# Altium PCB Cubli.PcbDoc (part 1 of 5) (continued)
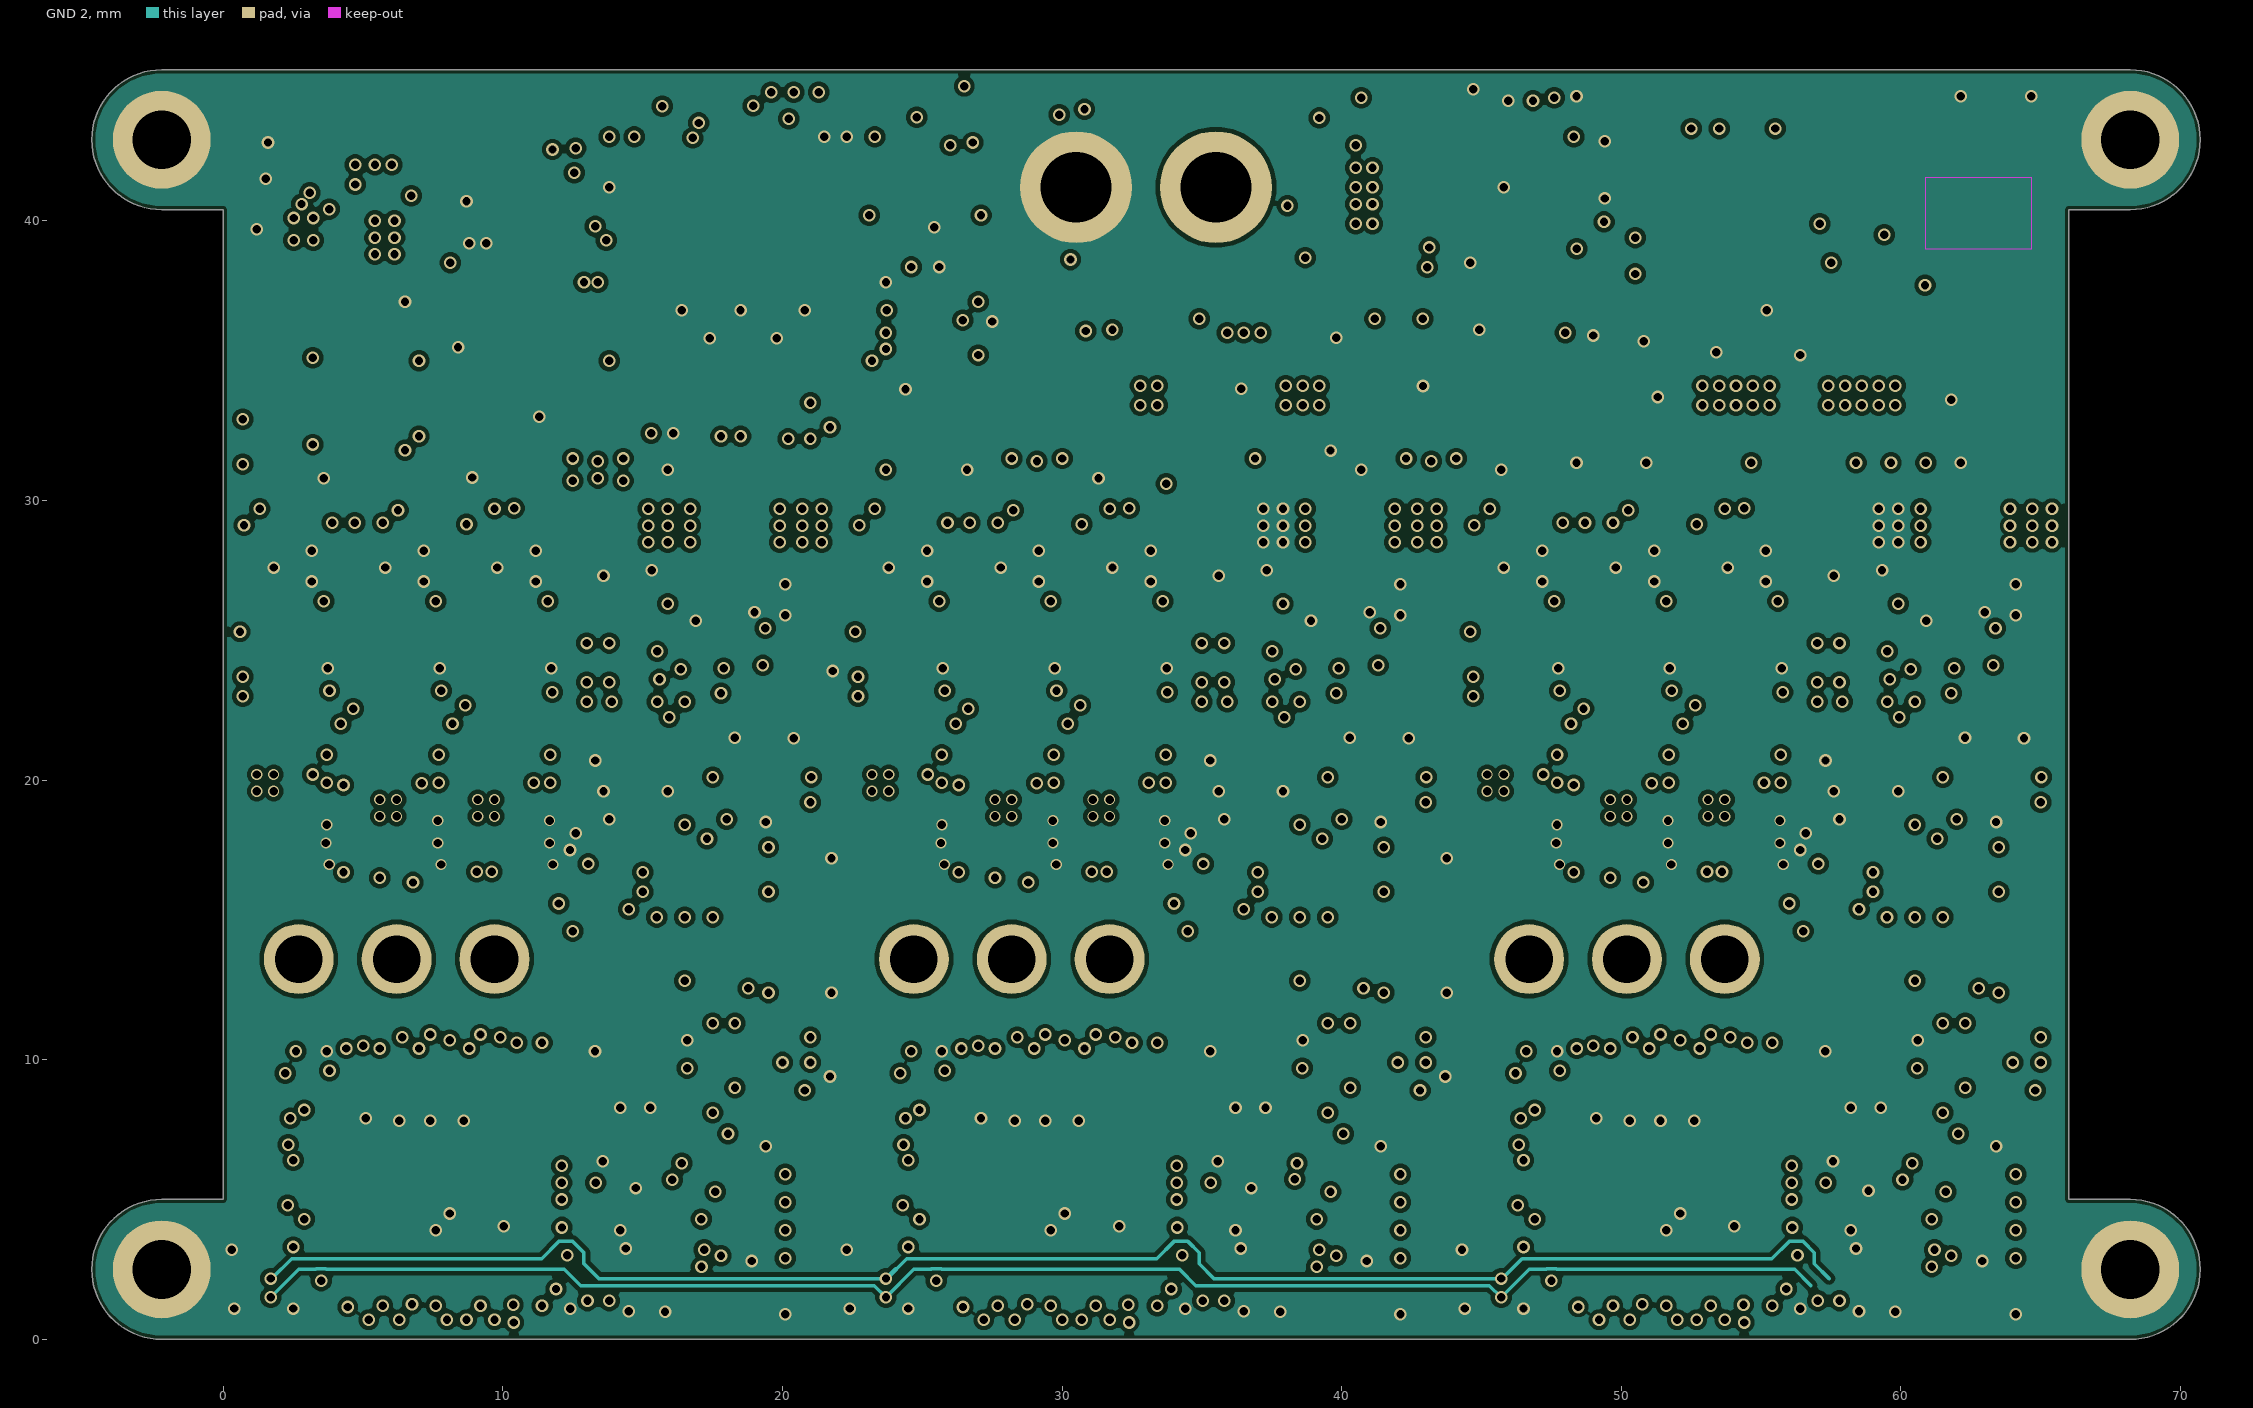
[diagram p5: GND 2]
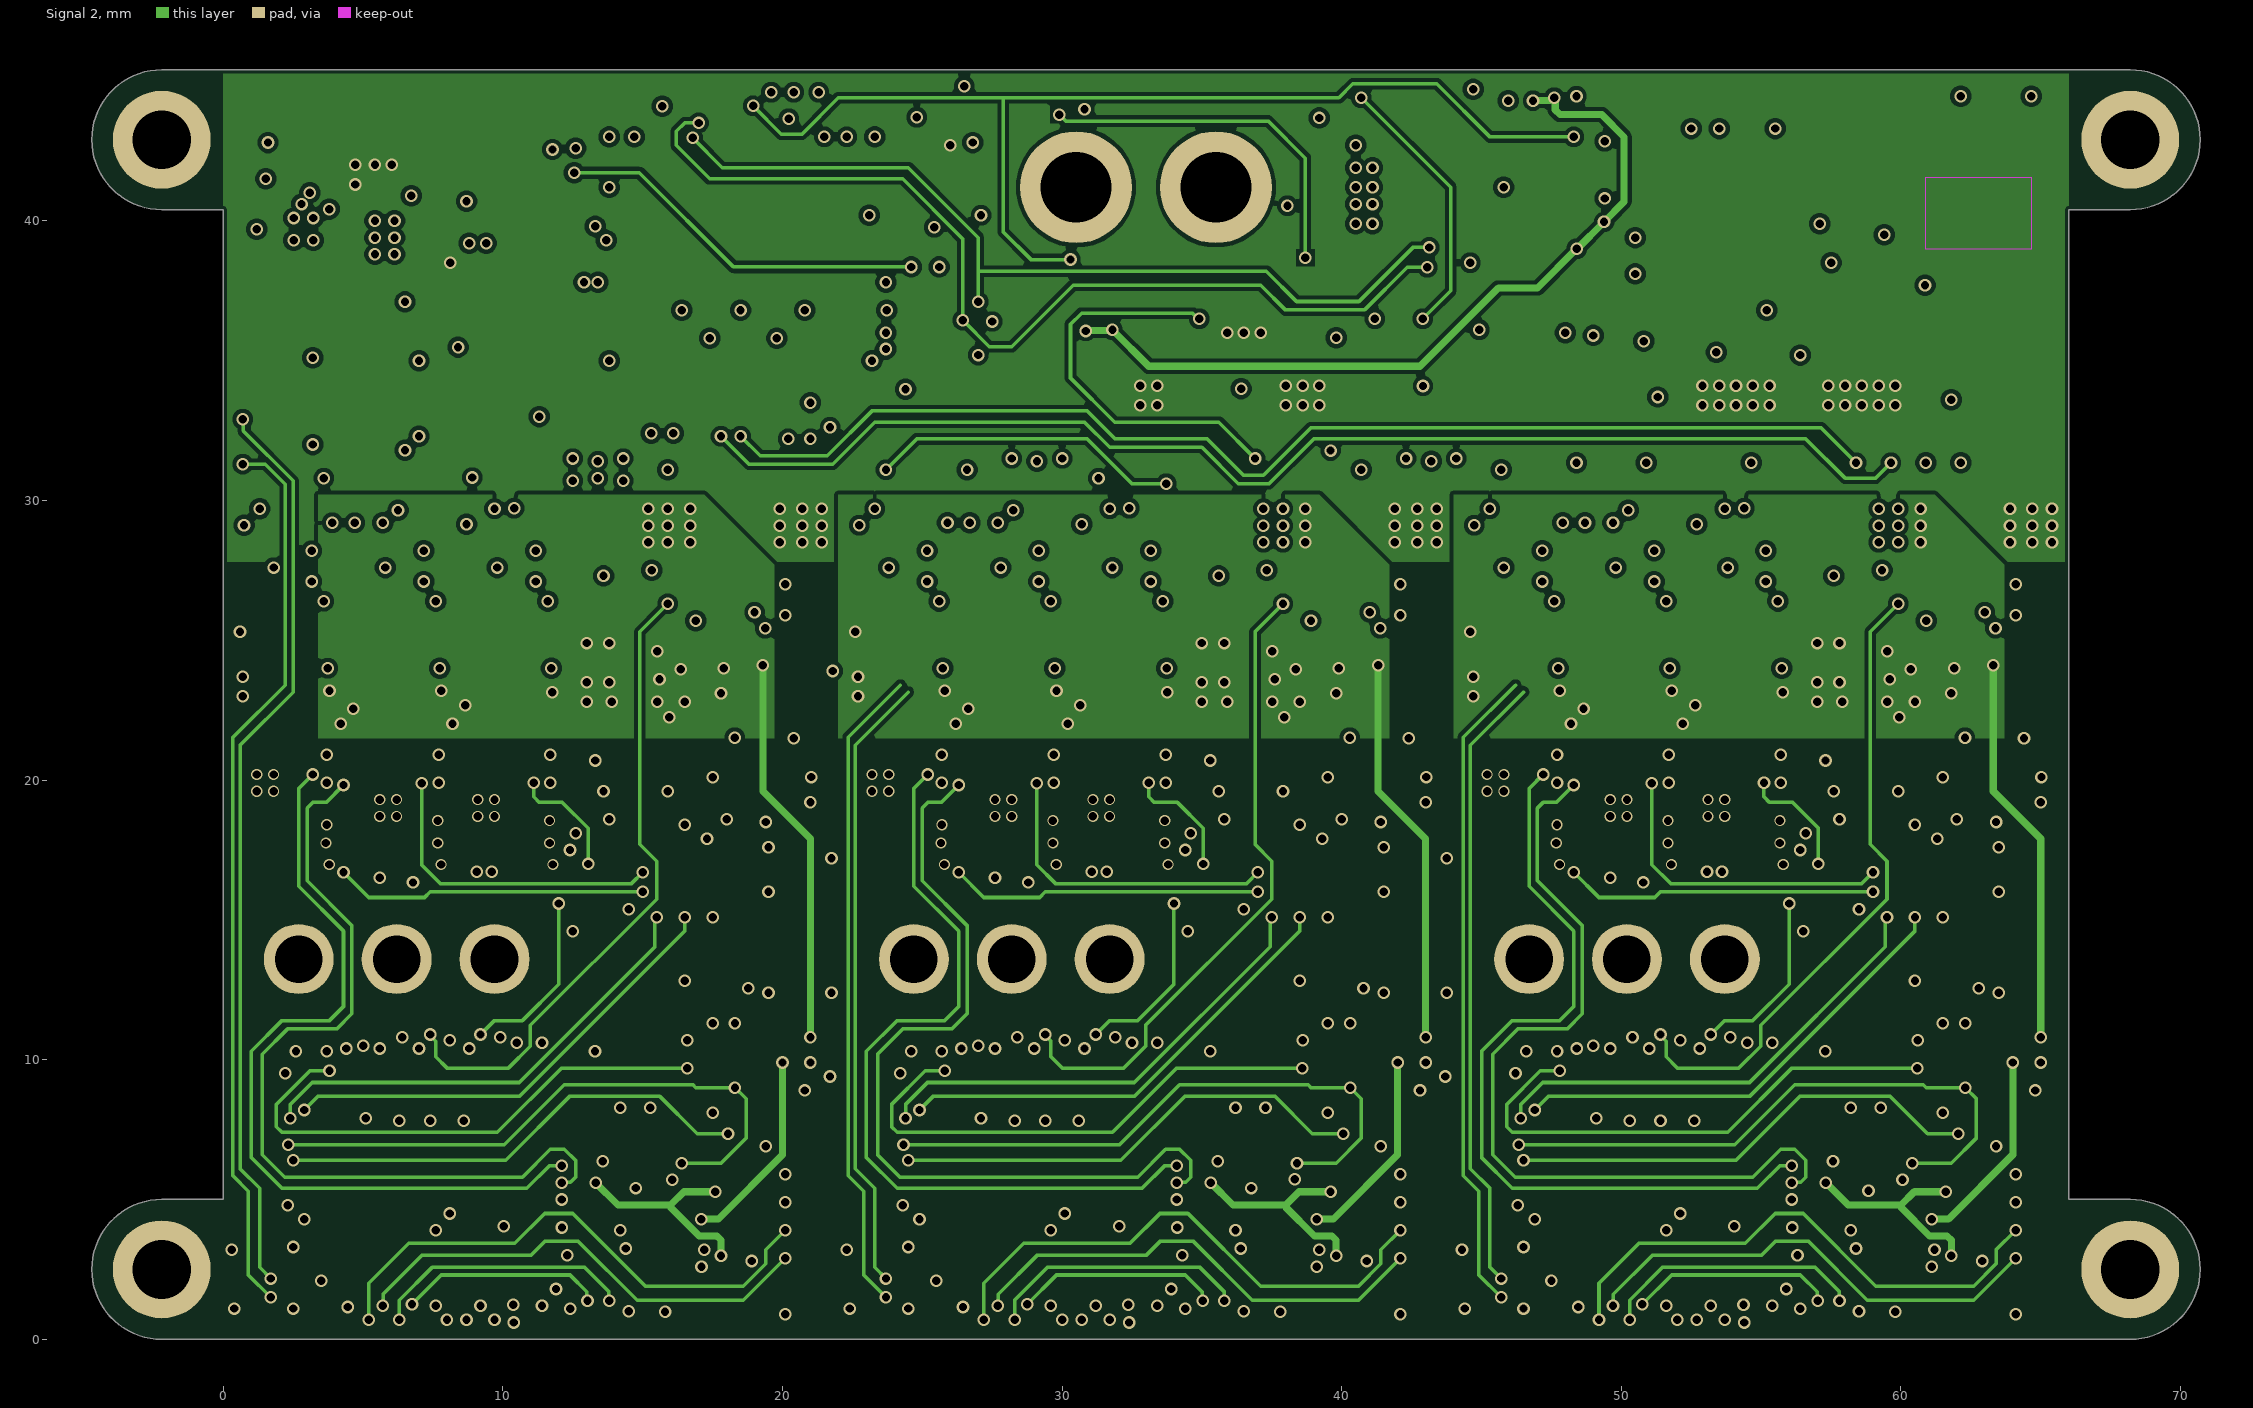
[diagram p6: Signal 2]
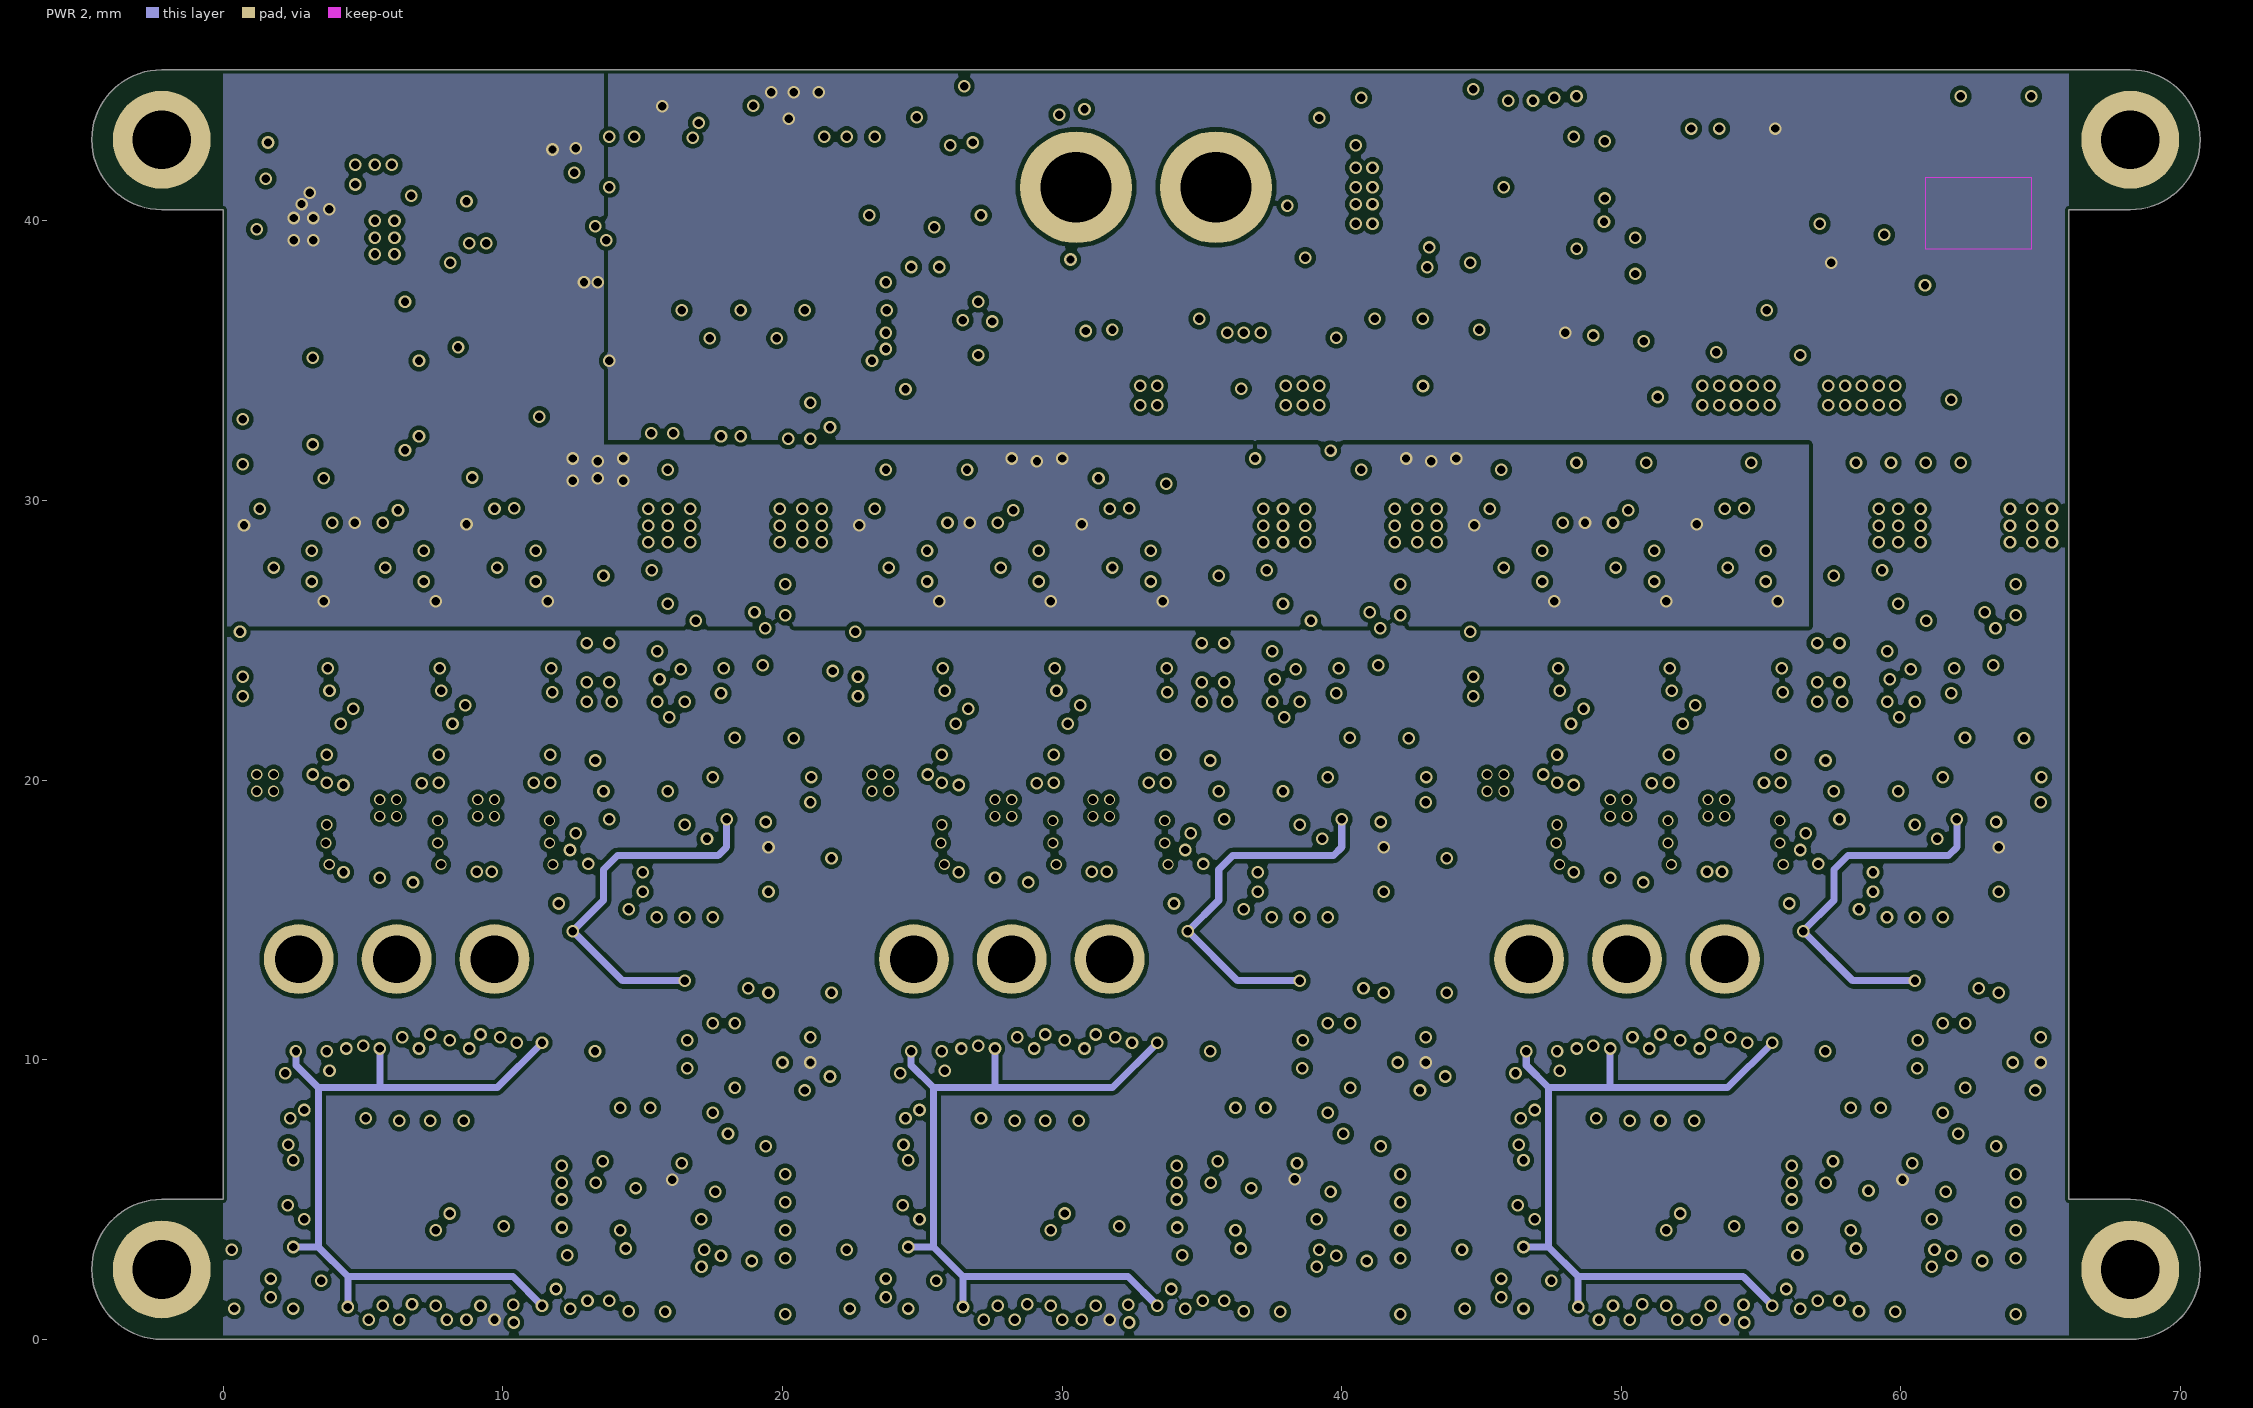
[diagram p7: PWR 2]
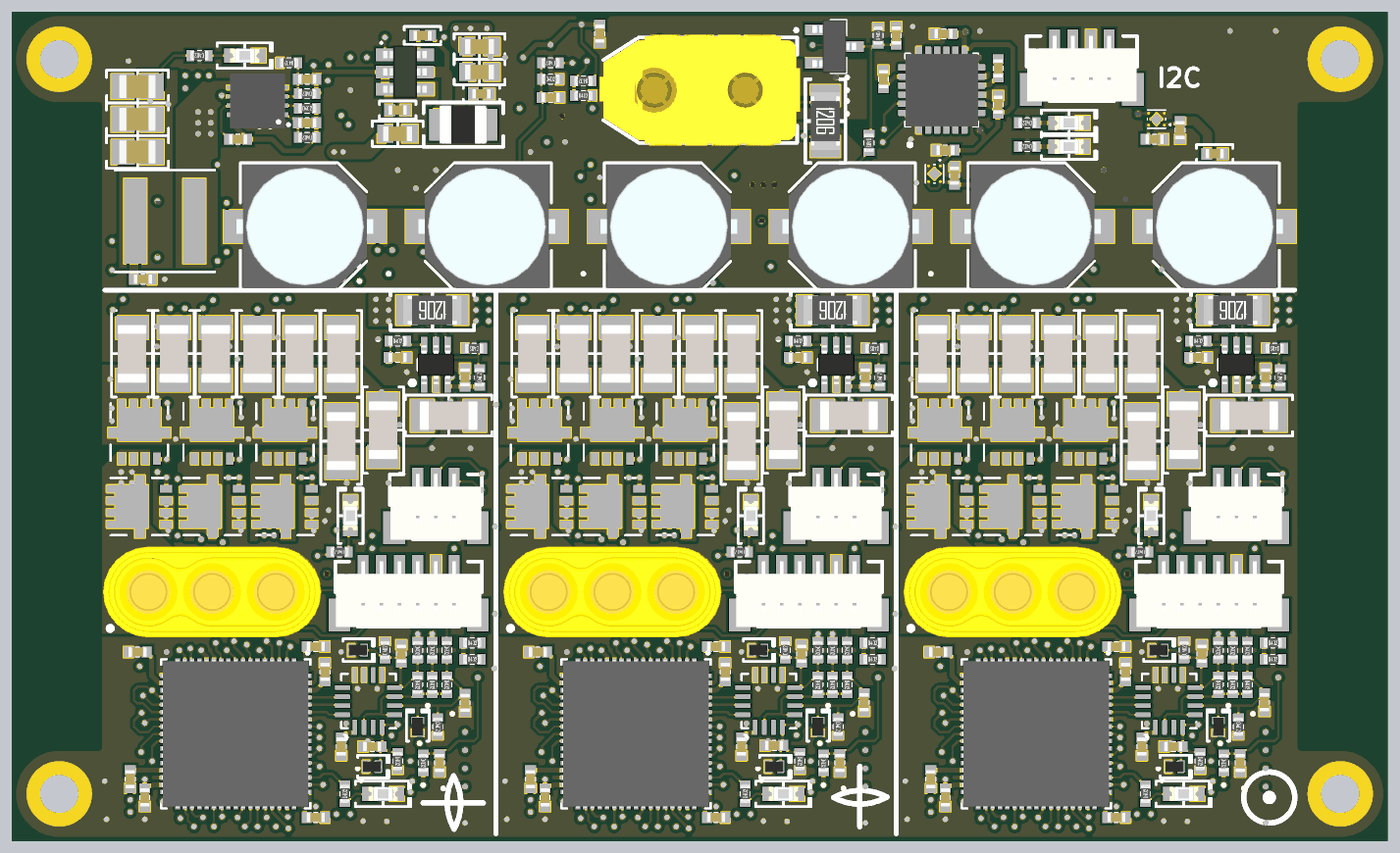
[diagram p12: 3D render of the assembled board from above, using the file's embedded part models]
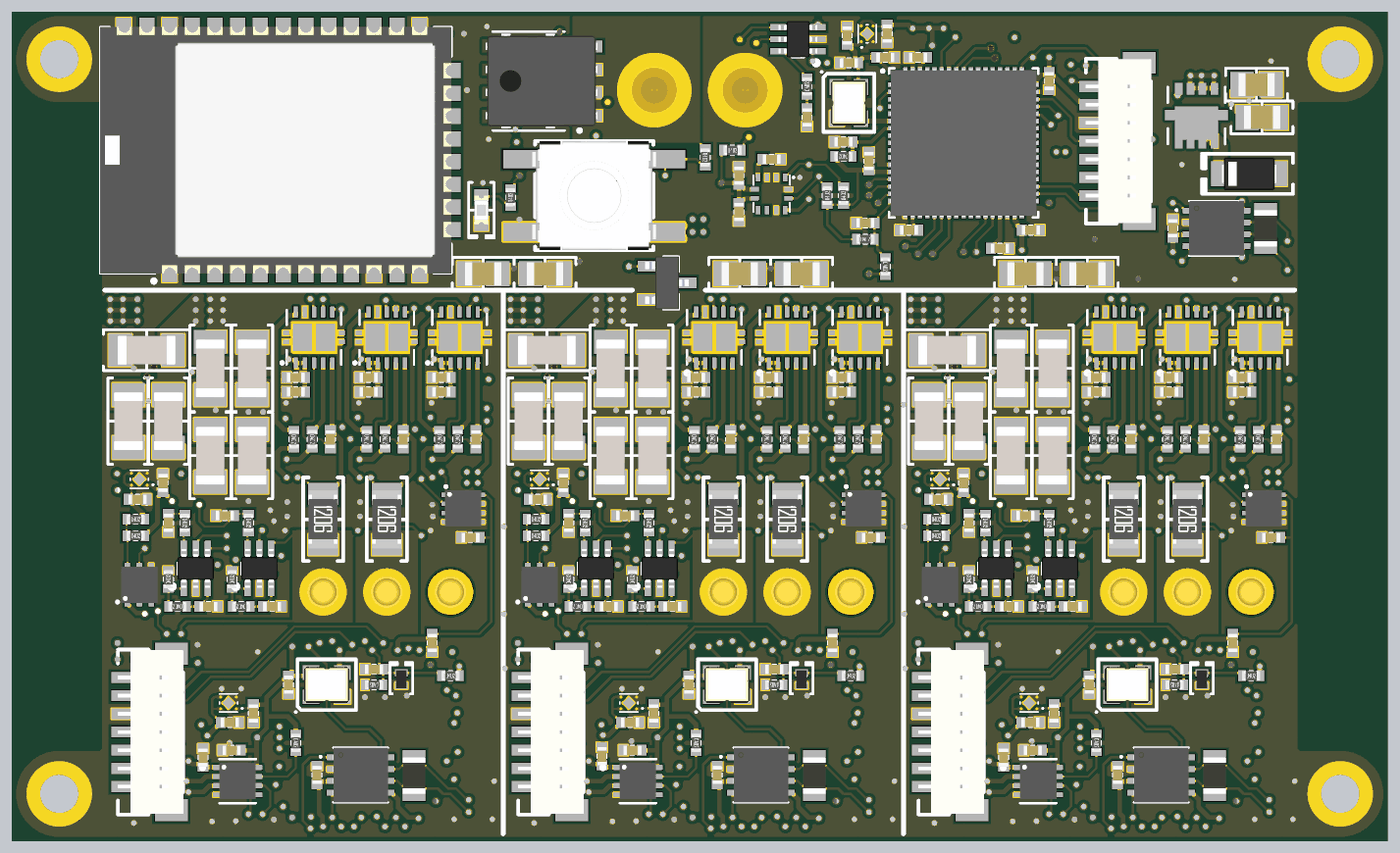
[diagram p13: 3D render of the assembled board from below, using the file's embedded part models]

## Layer stack, top to bottom
Top Solder: solder mask 0.01, Solder Resist, Dk 3.5
Top Layer: signal copper 0.035
Dielectric 2: prepreg 0.2, PP-006, Dk 4.1
GND 1: signal copper 0.035
Dielectric 4: prepreg 0.0711, PP-006, Dk 4.1
Signal 1: signal copper 0.0175
Dielectric 6: prepreg 0.0711, PP-006, Dk 4.1
PWR 1: signal copper 0.035
Dielectric 1: dielectric 0.651, FR-4, Dk 4.8
GND 2: signal copper 0.035
Dielectric 7: prepreg 0.0711, PP-006, Dk 4.1
Signal 2: signal copper 0.0175
Dielectric 5: prepreg 0.0711, PP-006, Dk 4.1
PWR 2: signal copper 0.035
Dielectric 3: prepreg 0.2, PP-006, Dk 4.1
Bottom Layer: signal copper 0.035
Bottom Solder: solder mask 0.01, Solder Resist, Dk 3.5

## Board outline
-2.2,0 cw(c-2.2,2.5) -4.7,2.5 cw(c-2.2,2.5) -2.2,5 0,5 0,40.4 -2.2,40.4 cw(c-2.2,42.9) -4.7,42.9 cw(c-2.2,42.9) -2.2,45.4 0,45.4 68.2,45.4 cw(c68.2,42.9) 70.7,42.9 cw(c68.2,42.9) 68.2,40.4 66,40.4 66,5 68.2,5 cw(c68.2,2.5) 70.7,2.5 cw(c68.2,2.5) 68.2,0 66,0 0,0

## Design rules (kind name [scope] priority, off if disabled: settings)
BoardOutlineClearance [((OnLayer('Top Overlay') = False) AND (OnLayer('Bottom Overlay') = False))] p1: gap=0.127 ignorepadtopadclearanceinfootprint=FALSE
Clearance "PolyGon Pour Clearance" [InPolygon] p1: gap=0.15 ignorepadtopadclearanceinfootprint=FALSE
Clearance [All] p2: gap=0.127 ignorepadtopadclearanceinfootprint=FALSE
HoleSize [All] p1: absolutevalues=TRUE maxlimit=50 minlimit=0.2 maxpercent=80.000 minpercent=20.000
HoleToHoleClearance [All] p1: gap=0.2 allowstackedmicrovias=TRUE
MinimumSolderMaskSliver [All] p1: minsoldermaskwidth=0.01
PlaneClearance [All] p1: clearance=0.127
PlaneConnect [All] p1: pad.planeconnectstyle=Direct pad.reliefexpansion=0.508 pad.reliefentries=4 pad.reliefconductorwidth=0.254 pad.reliefairgap=0.254 via.planeconnectstyle=Relief via.reliefexpansion=0.508 via.reliefentries=4 via.reliefconductorwidth=0.254 via.reliefairgap=0.254
PolygonConnect PolygonRelief [IsPolygon and not (IsNamedPolygon('PolygonDirect'))] p1: thpad.connectstyle=Relief thpad.reliefconductorwidth=0.254 thpad.reliefentries=4 thpad.polygonreliefangle="90 Angle" thpad.airgapwidth=0.254 smdpad.connectstyle=Relief smdpad.reliefconductorwidth=0.254 smdpad.reliefentries=4 smdpad.polygonreliefangle="90 Angle" smdpad.airgapwidth=0.254 via.connectstyle=Direct via.reliefconductorwidth=0.254 via.reliefentries=4 via.polygonreliefangle="90 Angle" via.airgapwidth=0.254
PolygonConnect PolygonDirect [All] p2: connectstyle=Direct reliefconductorwidth=0.254 reliefentries=4 polygonreliefangle="90 Angle" airgapwidth=0.254
RoutingVias [All] p1: holewidth=0.3 width=0.45 viastyle="Through Hole" minholewidth=0.3 minwidth=0.4 maxholewidth=0.5 maxwidth=10
SolderMaskExpansion SolderMaskExpansionVia [IsVia] p1: expansion=0.102 istentingtop=TRUE
SolderMaskExpansion [All] p2: expansion=0.05 istentingtop=FALSE
SupplyNets "Schematic Supply Nets_6" [InNet('3V3_XBEE')] p1: voltage=0.000
SupplyNets "Schematic Supply Nets_5" [InNet('3V3_MAIN')] p2: voltage=0.000
SupplyNets "Schematic Supply Nets_1" [InNet('3V3_IMU')] p3: voltage=0.000
SupplyNets "Schematic Supply Nets_4" [InNet('5V')] p4: voltage=0.000
SupplyNets "Schematic Supply Nets_3" [InNet('12V')] p5: voltage=0.000
SupplyNets "Schematic Supply Nets_2" [InNet('GND')] p6: voltage=0.000
SupplyNets "Schematic Supply Nets" [InNet('VBAT')] p7: voltage=0.000
Width [All] p1: maxlimit=2 minlimit=0.127 preferedwidth=0.254
25 further rules are at their usual default settings.

## Classes and differential pairs
component class Top: C11 C12 C13 C14 C15 C16 C17 C24 C25 C56 J_I2C R9 R10 R11 R15 R23 R24 U3 U4 U8 U9
channel class ESC_Power: U_Power1 U_Power2 U_Power3
channel class ESC_MCU: U_ESC_MCU1 U_ESC_MCU2 U_ESC_MCU3
component class U_Main_MCU: C38 C39 C40 C41 C42 C43 C44 C45 C46 C53 D2 D3 J1 R12 R13 R14 R19 R20 U11 Y1
component class U_Power3: C1_ESC_3 C2_ESC_3 C3_ESC_3 C4_ESC_3 C5_ESC_3 C6_ESC_3 C7_ESC_3 C8_ESC_3 C9_ESC_3 C10_ESC_3 C11_ESC_3 C12_ESC_3 C13_ESC_3 C14_ESC_3 C15_ESC_3 C16_ESC_3 C17_ESC_3 C18_ESC_3 C19_ESC_3 C20_ESC_3 C21_ESC_3 C22_ESC_3 R1_ESC_3 R2_ESC_3 R3_ESC_3 R4_ESC_3 U1_ESC_3 U2_ESC_3 U3_ESC_3
component class U_Power2: C1_ESC_2 C2_ESC_2 C3_ESC_2 C4_ESC_2 C5_ESC_2 C6_ESC_2 C7_ESC_2 C8_ESC_2 C9_ESC_2 C10_ESC_2 C11_ESC_2 C12_ESC_2 C13_ESC_2 C14_ESC_2 C15_ESC_2 C16_ESC_2 C17_ESC_2 C18_ESC_2 C19_ESC_2 C20_ESC_2 C21_ESC_2 C22_ESC_2 R1_ESC_2 R2_ESC_2 R3_ESC_2 R4_ESC_2 U1_ESC_2 U2_ESC_2 U3_ESC_2
component class U_Power1: C1_ESC_1 C2_ESC_1 C3_ESC_1 C4_ESC_1 C5_ESC_1 C6_ESC_1 C7_ESC_1 C8_ESC_1 C9_ESC_1 C10_ESC_1 C11_ESC_1 C12_ESC_1 C13_ESC_1 C14_ESC_1 C15_ESC_1 C16_ESC_1 C17_ESC_1 C18_ESC_1 C19_ESC_1 C20_ESC_1 C21_ESC_1 C22_ESC_1 R1_ESC_1 R2_ESC_1 R3_ESC_1 R4_ESC_1 U1_ESC_1 U2_ESC_1 U3_ESC_1
component class U_ESC3: C23_ESC_3 C24_ESC_3 C25_ESC_3 C26_ESC_3 C52_ESC_3 C53_ESC_3 D1_ESC_3 J1_ESC_3 J2_ESC_3 J3_ESC_3 R5_ESC_3 R6_ESC_3 R7_ESC_3 R8_ESC_3 R9_ESC_3 R36_ESC_3 R37_ESC_3 R38_ESC_3 U4_ESC_3 U5_ESC_3 U6_ESC_3 U7_ESC_3 U14_ESC_3
component class U_ESC2: C23_ESC_2 C24_ESC_2 C25_ESC_2 C26_ESC_2 C52_ESC_2 C53_ESC_2 D1_ESC_2 J1_ESC_2 J2_ESC_2 J3_ESC_2 R5_ESC_2 R6_ESC_2 R7_ESC_2 R8_ESC_2 R9_ESC_2 R36_ESC_2 R37_ESC_2 R38_ESC_2 U4_ESC_2 U5_ESC_2 U6_ESC_2 U7_ESC_2 U14_ESC_2
component class U_ESC1: C23_ESC_1 C24_ESC_1 C25_ESC_1 C26_ESC_1 C52_ESC_1 C53_ESC_1 D1_ESC_1 J1_ESC_1 J2_ESC_1 J3_ESC_1 R5_ESC_1 R6_ESC_1 R7_ESC_1 R8_ESC_1 R9_ESC_1 R36_ESC_1 R37_ESC_1 R38_ESC_1 U4_ESC_1 U5_ESC_1 U6_ESC_1 U7_ESC_1 U14_ESC_1
channel class Half_Bridges: U_Half_Bridges1 U_Half_Bridges2 U_Half_Bridges3
channel class ESC: U_ESC1 U_ESC2 U_ESC3
component class U_ESC_MCU3: C43_ESC_3 C44_ESC_3 C45_ESC_3 C46_ESC_3 C47_ESC_3 C48_ESC_3 C49_ESC_3 C50_ESC_3 C51_ESC_3 D5_ESC_3 D6_ESC_3 J4_ESC_3 R33_ESC_3 R34_ESC_3 R35_ESC_3 U13_ESC_3 Y1_ESC_3
component class U_ESC_MCU2: C43_ESC_2 C44_ESC_2 C45_ESC_2 C46_ESC_2 C47_ESC_2 C48_ESC_2 C49_ESC_2 C50_ESC_2 C51_ESC_2 D5_ESC_2 D6_ESC_2 J4_ESC_2 R33_ESC_2 R34_ESC_2 R35_ESC_2 U13_ESC_2 Y1_ESC_2
component class U_ESC_MCU1: C43_ESC_1 C44_ESC_1 C45_ESC_1 C46_ESC_1 C47_ESC_1 C48_ESC_1 C49_ESC_1 C50_ESC_1 C51_ESC_1 D5_ESC_1 D6_ESC_1 J4_ESC_1 R33_ESC_1 R34_ESC_1 R35_ESC_1 U13_ESC_1 Y1_ESC_1
component class U_Half_Bridges3: C27_ESC_3 C28_ESC_3 C29_ESC_3 C30_ESC_3 C31_ESC_3 C32_ESC_3 C33_ESC_3 C34_ESC_3 C35_ESC_3 C36_ESC_3 C37_ESC_3 C38_ESC_3 C39_ESC_3 C40_ESC_3 C41_ESC_3 C42_ESC_3 D2_ESC_3 D3_ESC_3 D4_ESC_3 Q1_ESC_3 Q2_ESC_3 Q3_ESC_3 Q4_ESC_3 Q5_ESC_3 Q6_ESC_3 R10_ESC_3 R11_ESC_3 R12_ESC_3 R13_ESC_3 R14_ESC_3 R15_ESC_3 R16_ESC_3 R17_ESC_3 R18_ESC_3 R19_ESC_3 R20_ESC_3 R21_ESC_3 R22_ESC_3 R23_ESC_3 R24_ESC_3 R25_ESC_3 R26_ESC_3 R27_ESC_3 R28_ESC_3 R29_ESC_3 R30_ESC_3 R31_ESC_3 R32_ESC_3 U8_ESC_3 U9_ESC_3 U10_ESC_3 U11_ESC_3 U12_ESC_3
component class U_Half_Bridges2: C27_ESC_2 C28_ESC_2 C29_ESC_2 C30_ESC_2 C31_ESC_2 C32_ESC_2 C33_ESC_2 C34_ESC_2 C35_ESC_2 C36_ESC_2 C37_ESC_2 C38_ESC_2 C39_ESC_2 C40_ESC_2 C41_ESC_2 C42_ESC_2 D2_ESC_2 D3_ESC_2 D4_ESC_2 Q1_ESC_2 Q2_ESC_2 Q3_ESC_2 Q4_ESC_2 Q5_ESC_2 Q6_ESC_2 R10_ESC_2 R11_ESC_2 R12_ESC_2 R13_ESC_2 R14_ESC_2 R15_ESC_2 R16_ESC_2 R17_ESC_2 R18_ESC_2 R19_ESC_2 R20_ESC_2 R21_ESC_2 R22_ESC_2 R23_ESC_2 R24_ESC_2 R25_ESC_2 R26_ESC_2 R27_ESC_2 R28_ESC_2 R29_ESC_2 R30_ESC_2 R31_ESC_2 R32_ESC_2 U8_ESC_2 U9_ESC_2 U10_ESC_2 U11_ESC_2 U12_ESC_2
component class U_Half_Bridges1: C27_ESC_1 C28_ESC_1 C29_ESC_1 C30_ESC_1 C31_ESC_1 C32_ESC_1 C33_ESC_1 C34_ESC_1 C35_ESC_1 C36_ESC_1 C37_ESC_1 C38_ESC_1 C39_ESC_1 C40_ESC_1 C41_ESC_1 C42_ESC_1 D2_ESC_1 D3_ESC_1 D4_ESC_1 Q1_ESC_1 Q2_ESC_1 Q3_ESC_1 Q4_ESC_1 Q5_ESC_1 Q6_ESC_1 R10_ESC_1 R11_ESC_1 R12_ESC_1 R13_ESC_1 R14_ESC_1 R15_ESC_1 R16_ESC_1 R17_ESC_1 R18_ESC_1 R19_ESC_1 R20_ESC_1 R21_ESC_1 R22_ESC_1 R23_ESC_1 R24_ESC_1 R25_ESC_1 R26_ESC_1 R27_ESC_1 R28_ESC_1 R29_ESC_1 R30_ESC_1 R31_ESC_1 R32_ESC_1 U8_ESC_1 U9_ESC_1 U10_ESC_1 U11_ESC_1 U12_ESC_1
component class U_Power: C1 C2 C3 C4 C5 C6 C7 C8 C9 C10 C18 C19 C20 C21 C22 C23 C26 C27 C28 C29 C30 C31 C32 C33 C34 C35 C36 C37 C47 C48 C49 C50 C51 C52 C54 C55 D1 D4 D5 J_VIN1 L1 L2 Q1 Q2 Q3 Q4 R1 R2 R3 R4 R5 R6 R7 R8 R16 R17 R18 R21 R22 S1 U1 U2 U5 U6 U7 U10

## Components (designator, comment, footprint, x,y, rotation, side; value= is the part's Value field where it differs from the comment)
C1 "1nF" CAP_0402 11.425,39.4 r0 top
C1_ESC_1 "0.1uF" CAP_0402 20.1,25.4 r90 top (schematic designator C1_ESC)
C1_ESC_2 "0.1uF" CAP_0402 42.1,25.4 r90 top (schematic designator C1_ESC)
C1_ESC_3 "0.1uF" CAP_0402 64.1,25.4 r90 top (schematic designator C1_ESC)
C2 "0.1uF" CAP_0402 7.625,38.5 r180 top
C2_ESC_1 "0.1uF" CAP_0402 16.4,26.5 r0 top (schematic designator C2_ESC)
C2_ESC_2 "0.1uF" CAP_0402 38.4,26.5 r0 top (schematic designator C2_ESC)
C2_ESC_3 "0.1uF" CAP_0402 60.4,26.5 r0 top (schematic designator C2_ESC)
C3 "22 µF" "CAP 0805_2012" 41.5,31.1 r0 bottom
C3_ESC_1 "10 µF" "CAP 1206_3216 - 0.8MM" 8.7,26.7 r270 top (schematic designator C3_ESC)
C3_ESC_2 "10 µF" "CAP 1206_3216 - 0.8MM" 30.7,26.7 r270 top (schematic designator C3_ESC)
C3_ESC_3 "10 µF" "CAP 1206_3216 - 0.8MM" 52.7,26.7 r270 top (schematic designator C3_ESC)
C4 "22pF" CAP_0402 11.425,41.8 r0 top
C4_ESC_1 "10 µF" "CAP 1206_3216 - 0.8MM" 13.3,26.7 r270 top (schematic designator C4_ESC)
C4_ESC_2 "10 µF" "CAP 1206_3216 - 0.8MM" 35.3,26.7 r270 top (schematic designator C4_ESC)
C4_ESC_3 "10 µF" "CAP 1206_3216 - 0.8MM" 57.3,26.7 r270 top (schematic designator C4_ESC)
C5 "0.1uF" CAP_0402 2.4,30.8 r180 top
C5_ESC_1 "10 µF" "CAP 1206_3216 - 0.8MM" 15.6,22.5 r90 top (schematic designator C5_ESC)
C5_ESC_2 "10 µF" "CAP 1206_3216 - 0.8MM" 37.6,22.5 r90 top (schematic designator C5_ESC)
C5_ESC_3 "10 µF" "CAP 1206_3216 - 0.8MM" 59.6,22.5 r90 top (schematic designator C5_ESC)
C6 "22 µF" "CAP 0805_2012" 2.1,41.4 r0 top
C6_ESC_1 "10 µF" "CAP 1206_3216 - 0.8MM" 15.9,25.9 r270 bottom (schematic designator C6_ESC)
C6_ESC_2 "10 µF" "CAP 1206_3216 - 0.8MM" 37.9,25.9 r270 bottom (schematic designator C6_ESC)
C6_ESC_3 "10 µF" "CAP 1206_3216 - 0.8MM" 59.9,25.9 r270 bottom (schematic designator C6_ESC)
C7 "22 µF" "CAP 0805_2012" 2.1,39.7 r0 bottom
C7_ESC_1 "10 µF" "CAP 1206_3216 - 0.8MM" 18.2,23 r90 bottom (schematic designator C7_ESC)
C7_ESC_2 "10 µF" "CAP 1206_3216 - 0.8MM" 40.2,23 r90 bottom (schematic designator C7_ESC)
C7_ESC_3 "10 µF" "CAP 1206_3216 - 0.8MM" 62.2,23 r90 bottom (schematic designator C7_ESC)
C8 "22 µF" "CAP 0805_2012" 2.4,41.5 r0 bottom
C8_ESC_1 "10 µF" "CAP 1206_3216 - 0.8MM" 19.2,23.3 r180 top (schematic designator C8_ESC)
C8_ESC_2 "10 µF" "CAP 1206_3216 - 0.8MM" 41.2,23.3 r180 top (schematic designator C8_ESC)
C8_ESC_3 "10 µF" "CAP 1206_3216 - 0.8MM" 63.2,23.3 r180 top (schematic designator C8_ESC)
C9 "0.1uF" CAP_0402 27.5,44.3 r270 top
C9_ESC_1 "10 µF" "CAP 1206_3216 - 0.8MM" 19.4,26.9 r180 bottom (schematic designator C9_ESC)
C9_ESC_2 "10 µF" "CAP 1206_3216 - 0.8MM" 41.4,26.9 r180 bottom (schematic designator C9_ESC)
C9_ESC_3 "10 µF" "CAP 1206_3216 - 0.8MM" 63.4,26.9 r180 bottom (schematic designator C9_ESC)
C10 "0.1uF" CAP_0402 27.1,39.7 r270 bottom
C10_ESC_1 "10 µF" "CAP 1206_3216 - 0.8MM" 20.4,23 r90 bottom (schematic designator C10_ESC)
C10_ESC_2 "10 µF" "CAP 1206_3216 - 0.8MM" 42.4,23 r90 bottom (schematic designator C10_ESC)
C10_ESC_3 "10 µF" "CAP 1206_3216 - 0.8MM" 64.4,23 r90 bottom (schematic designator C10_ESC)
C11 "0.1uF" CAP_0402 46.4,44.3 r180 top
C11_ESC_1 "0.1uF" CAP_0402 14.83,6.425 r0 bottom (schematic designator C11_ESC)
C11_ESC_2 "0.1uF" CAP_0402 36.83,6.425 r0 bottom (schematic designator C11_ESC)
C11_ESC_3 "0.1uF" CAP_0402 58.83,6.425 r0 bottom (schematic designator C11_ESC)
C12 "1uF" CAP_0402 30.85,36.5 r90 bottom
C12_ESC_1 "0.1uF" CAP_0402 13.53,6.925 r90 bottom (schematic designator C12_ESC)
C12_ESC_2 "0.1uF" CAP_0402 35.53,6.925 r90 bottom (schematic designator C12_ESC)
C12_ESC_3 "0.1uF" CAP_0402 57.53,6.925 r90 bottom (schematic designator C12_ESC)
C13 "0.1uF" CAP_0402 30.85,34.5 r270 bottom
C13_ESC_1 "10 µF" "CAP 1206_3216 - 0.8MM" 1.8,26.7 r270 top (schematic designator C13_ESC)
C13_ESC_2 "10 µF" "CAP 1206_3216 - 0.8MM" 23.8,26.7 r270 top (schematic designator C13_ESC)
C13_ESC_3 "10 µF" "CAP 1206_3216 - 0.8MM" 45.8,26.7 r270 top (schematic designator C13_ESC)
C14 "0.1uF" CAP_0402 49.4,40.4 r90 top
C14_ESC_1 "10 µF" "CAP 1206_3216 - 0.8MM" 6.4,26.7 r270 top (schematic designator C14_ESC)
C14_ESC_2 "10 µF" "CAP 1206_3216 - 0.8MM" 28.4,26.7 r270 top (schematic designator C14_ESC)
C14_ESC_3 "10 µF" "CAP 1206_3216 - 0.8MM" 50.4,26.7 r270 top (schematic designator C14_ESC)
C15 "0.1uF" CAP_0402 29.05,37.4 r180 bottom
C15_ESC_1 "10 µF" "CAP 1206_3216 - 0.8MM" 4.1,26.7 r270 top (schematic designator C15_ESC)
C15_ESC_2 "10 µF" "CAP 1206_3216 - 0.8MM" 26.1,26.7 r270 top (schematic designator C15_ESC)
C15_ESC_3 "10 µF" "CAP 1206_3216 - 0.8MM" 48.1,26.7 r270 top (schematic designator C15_ESC)
C16 "0.1uF" CAP_0402 49.4,42.4 r90 top
C16_ESC_1 "10 µF" "CAP 1206_3216 - 0.8MM" 15.9,21.1 r90 bottom (schematic designator C16_ESC)